# KiCad board W1-AT PCB.kicad_pcb (continued)
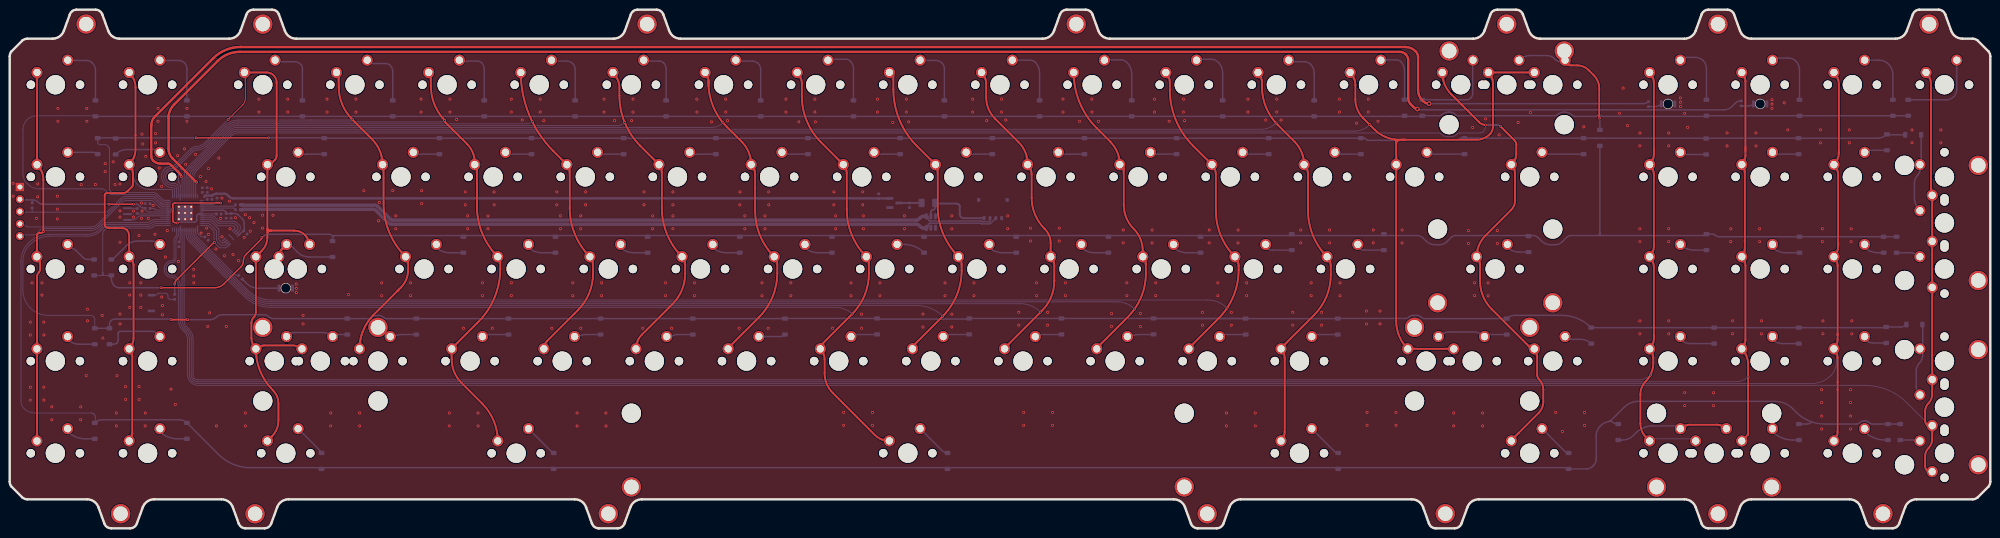
[diagram p0: board, top side]
## Nets (continued)
Net-(D46-A): D46.2 SW47.2
Net-(D47-A): D47.2 SW48.2
Net-(D48-A): D48.2 SW49.2
Net-(D49-A): D49.2 SW50.2
Net-(D50-A): D50.2 SW51.2
Net-(D51-A): D51.2 SW52.2
Net-(D52-A): D52.2 SW53.2
Net-(D53-A): D53.2 SW54.2
Net-(D54-A): D54.2 SW55.2
Net-(D55-A): D55.2 SW56.2
Net-(D56-A): D56.2 SW57.2
Net-(D57-A): D57.2 SW58.2
Net-(D58-A): D58.2 SW59.2
Net-(D59-A): D59.2 SW60.2
Net-(D60-A): D60.2 SW61.2
Net-(D61-A): D61.2 SW62.2
Net-(D62-A): D62.2 SW63.2
Net-(D63-A): D63.2 SW64.2
Net-(D64-A): D64.2 SW65.2
Net-(D65-A): D65.2 SW66.2 SW99.2
Net-(D66-A): D66.2 SW68.2 SW92.2
Net-(D67-A): D67.2 SW67.2
Net-(D68-A): D68.2 SW69.2
Net-(D69-A): D69.2 SW70.2
Net-(D70-A): D70.2 SW71.2
Net-(D71-A): D71.2 SW72.2
Net-(D72-A): D72.2 SW73.2
Net-(D73-A): D73.2 SW74.2
Net-(D74-A): D74.2 SW75.2
Net-(D75-A): D75.2 SW76.2
Net-(D76-A): D76.2 SW77.2
Net-(D77-A): D77.2 SW83.2
Net-(D78-A): D78.2 SW79.2
Net-(D79-A): D79.2 SW80.2
Net-(D80-A): D80.2 SW81.2
Net-(D81-A): D81.2 SW82.2
Net-(D82-A): D82.2 SW88.2
Net-(D83-A): D83.2 SW84.2
Net-(D84-A): D84.2 SW85.2 SW94.2
Net-(D85-A): D85.2 SW86.2
Net-(D86-A): D86.2 SW87.2 SW95.2
Net-(D87-A): D87.2 SW78.2
Net-(D88-A): D88.2 SW91.2
Net-(D89-A): D89.2 SW93.2
Net-(D90-A): D90.2 SW96.2
Net-(D91-A): D91.2 SW97.2 SW98.2
Net-(D92-A): D92.1 R2.1
Net-(D93-A): D93.1 R3.1
Net-(D94-A): D94.1 R8.1
Net-(R7-Pad2): R7.2 SW1.2

Pads without a net: H1 1; H2 1; H3 1; H4 1; H5 1; H6 1; H7 1; H8 1; H9 1; H10 1; H11 1; H12 1; H13 1; H14 1; J3 MP; U3 1 6; U4 13 14; U5 9

## Via types
v1: diameter 0.6, hole 0.3, Top to Bottom, 507 vias
v2: diameter 1, hole 0.5, Top to Bottom, 2 vias

## Routing (per net, layer and track width the routed paths; a pad name or vN(x,y) marks a point on that pad's centre or on a via; arc(x,y) is an arc through that point)
+1V1: length 32.5
  Top w0.3: v1(43.63,67.28) 34.15,67.28 arc(33.99,67.25) 33.85,67.15 33.81,67.12 arc(33.74,67.02) 33.72,66.9 33.72,66.07 arc(33.72,66.07) 33.72,66.07 33.72,66.02 v1(33.74,66) 33.72,65.99 33.72,65.69 arc(33.72,65.66) 33.72,65.63 33.72,63.65 arc(33.75,63.48) 33.85,63.34 arc(33.99,63.25) 34.15,63.22 34.46,63.22 arc(34.57,63.19) v1(34.66,63.13)
  Bottom w0.2: U4.23 30.33,65.82 arc(30.24,65.83) 30.16,65.88 30,66.05 arc(29.9,66.11) 29.78,66.14 29.09,66.14 arc(29.05,66.14) C8.1 ; U4.45 42.09,67.02 arc(42.51,67.1) C3.1 ; U4.50 42.36,65.02 arc(42.49,65.04) 42.61,65.12
  Bottom w0.3: v1(34.66,63.13) 34.66,63.14 34.84,63.32 38.18,63.32 arc(38.38,63.36) 38.55,63.47 arc(38.64,63.61) 38.67,63.78 38.67,64.56 arc(38.71,64.73) 38.8,64.87 arc(38.97,64.98) 39.16,65.02 U4.50 ; 43.5,67.28 v1(43.63,67.28) 43,67.28 arc(42.93,67.29) C3.1 ; v1(33.74,66) arc(33.53,65.87) 33.28,65.82
+3.3V: length 201.3
  Top w0.3: v1(25.59,67.03) v1(20.53,67.03)
  Bottom w0.2: C13.1 28.01,66.04 arc(28.03,65.89) 28.11,65.78 28.26,65.63 arc(28.5,65.47) 28.77,65.42 U4.22 33.37,65.42 arc(33.42,65.41) 33.47,65.37 ; 35.24,67.91 arc(35.26,67.93) 35.26,67.95 U4.33 35.26,70.82 arc(35.19,71.17) 34.99,71.47 arc(34.9,71.61) 34.86,71.78 34.86,73.7 arc(34.87,73.75) C12.1 ; C10.1 arc(35.19,59.49) 35.26,59.83 U4.10 35.26,62.31 arc(35.29,62.46) 35.37,62.58 ; C4.1 arc(40.32,60.28) 40.27,60.29 39.69,60.29 arc(39.57,60.32) 39.47,60.38 39.05,60.8 arc(38.91,61.02) 38.86,61.27 U4.1 38.86,62.44 arc(38.84,62.51) 38.8,62.58
  Bottom w0.3: v1(25.59,67.03) 26.31,67.03 arc(26.48,66.99) 26.62,66.9 26.85,66.67 arc(27.38,66.32) C13.1 ; U5.8 48.17,61.44 arc(48.27,61.5) C17.2 arc(48.44,61.62) 48.47,61.73 48.47,63.22 arc(48.4,63.57) 48.2,63.87 47.2,64.87 arc(46.94,65.03) 46.65,65.09 C14.1 C11.1 44.77,65.2 arc(44.74,65.36) 44.64,65.5 arc(44.36,65.69) 44.03,65.76 44.01,65.76 44,65.77 39.7,65.77 ; 4.69,67.91 4.69,67.39 arc(4.68,67.33) R6.1 ; 4.69,67.91 2.42,67.91 arc(2.25,67.95) J2.2 ; 4.69,67.91 arc(5.36,67.78) 5.92,67.41 arc(6.34,67.13) 6.84,67.03 v1(20.53,67.03)
  Bottom w0.5: U1.2 46.18,68.23 arc(45.76,68.31) 45.4,68.55 45.04,68.92 arc(44.74,69.11) 44.39,69.18 42.72,69.18 arc(42.38,69.12) 42.1,68.93 arc(41.96,68.84) 41.8,68.8 40.45,68.8 40.2,68.55
+5V: length 4.7
  Bottom w0.4: F2.1 U1.3
GND: length 1.8
  Bottom w0.2: 36.76,64.25 36.74,64.24 ; U4.19 31.2,64.22 ; 43.75,65.09 43.68,65.02
  vias: v1(0.71,71.34) v1(0.71,68.68) v1(4.27,42.64) v1(4.27,39.97) v1(4.27,29.18) v1(4.27,26.51) v1(4.64,50.77) v1(5.54,64.1) v1(5.79,71.22) v1(5.79,68.55) v1(6.67,50.77) v1(6.67,48.23) v1(7.06,42.64) v1(7.06,39.97) v1(7.06,29.18) v1(7.06,26.51) v1(8.71,25.12) v1(8.71,22.45) v1(9.86,68.68) v1(9.86,66.01) v1(9.86,63.98) v1(9.97,86.84) v1(9.97,84.17) v1(14.68,25.12) v1(14.68,22.45) v1(14.8,71.09) v1(15.83,31.59) v1(15.94,86.84) v1(15.94,84.17) v1(16.08,45.31) v1(16.08,42.9) v1(17.72,71.09) v1(19.13,44.04) v1(19.26,39.34) v1(19.75,75.41) v1(19.75,73.76) v1(21.4,75.79) v1(21.78,71.09) v1(22.05,23.85) v1(22.05,21.18) v1(22.18,31.59) v1(22.8,71.22) v1(22.81,65.63) v1(22.81,64.36) v1(22.8,59.15) v1(22.81,44.29) v1(22.81,42.26) v1(23.95,29.31) v1(23.95,26.64) v1(24.83,50.77) v1(24.83,48.23) v1(24.83,45.69) v1(25.61,65.63) v1(25.61,64.36) v1(26.74,60.55) v1(26.75,29.31) v1(26.75,26.64) v1(27.12,50.77) v1(27.12,48.23) v1(27.12,45.69) v1(27.26,67.26) v1(27.26,64.09) v1(27.37,81.5) v1(27.38,65.63) v1(27.5,79.47) v1(28.02,23.85) v1(28.02,21.18) v1(28.13,76.93) v1(28.65,64.09) v1(29.66,66.77) v1(30.04,60.8) v1(30.16,81.63) v1(30.16,79.73) v1(30.67,86.84) v1(30.67,84.17) v1(30.93,74.52) v1(31.43,70.71) v1(31.43,47.85) v1(31.56,46.07) v1(31.56,44.17) v1(32.2,56.1) v1(32.58,61.56) v1(33.35,28.8) v1(34.24,25.62) v1(34.74,77.06) v1(34.86,55.21) v1(36.13,78.46) v1(36.39,75.28) v1(36.64,86.84) v1(36.64,84.17) v1(38.05,53.56) v1(38.05,52.17) v1(38.05,50.77) v1(38.42,77.31) v1(39.44,72.74) v1(39.58,61.06) v1(40.59,71.72) v1(40.72,62.07) v1(40.97,41.75) v1(41.09,74.39) v1(41.1,60.8) v1(41.35,44.55) v1(41.73,70.2) v1(42.62,57.75) v1(42.75,21.18) v1(43.25,76.55) v1(43.63,64.1) v1(43.88,68.3) v1(43.89,60.29) v1(44.4,56.36) v1(44.78,41.75) v1(45.42,67.66) v1(45.54,61.95) v1(46.18,56.61) v1(46.67,64.23) v1(47.31,55.34) v1(48.47,60.17) v1(48.72,64.87) v1(48.72,23.85) v1(48.72,21.18) v1(49.61,64.23) v1(49.74,61.44) v1(50.5,63.22) v1(51.51,88.74) v1(51.51,86.08) v1(52.28,64.74) v1(52.28,62.07) v1(54.43,64.74) v1(57.48,88.74) v1(57.48,86.08) v1(59.26,50.52) v1(59.26,49.63) v1(59.26,48.74) v1(60.66,44.04) v1(60.66,42.26) v1(65.61,88.74) v1(65.61,86.08) v1(66.37,23.85) v1(66.37,21.18) v1(70.06,48.36) v1(71.58,88.74) v1(71.58,86.08) v1(72.34,23.85) v1(72.34,21.18) v1(73.23,69.82) v1(76.28,63.6) v1(76.41,67.41) v1(76.91,50.77) v1(76.91,48.1) v1(79.2,69.82) v1(79.83,64.61) v1(79.83,61.95) v1(82.88,50.77) v1(82.88,48.1) v1(85.04,88.74) v1(85.04,86.08) v1(85.17,69.82) v1(85.17,67.15) v1(90.88,23.85) v1(90.88,21.18) v1(91.01,88.74) v1(91.01,86.08) v1(92.39,84.55) v1(93.8,41.37) v1(94.19,69.57) v1(94.19,66.9) v1(94.69,64.61) v1(94.69,61.95) v1(96.85,23.85) v1(96.85,21.18) v1(97.74,50.77) v1(97.74,48.1) v1(98.88,64.61) v1(98.88,61.95) v1(99.77,41.37) v1(100.15,69.57) v1(100.15,66.9) v1(103.71,88.74) v1(103.71,86.08) v1(103.71,50.77) v1(103.71,48.1) v1(105.98,84.42) v1(109.68,88.74) v1(109.68,86.08) v1(110.43,84.3) v1(112.09,41.37) v1(113.11,69.57) v1(113.11,66.9) v1(113.87,64.61) v1(113.87,61.95) v1(116.41,50.77) v1(116.41,48.1) v1(117.3,23.85) v1(117.3,21.18) v1(118.06,64.61) v1(118.06,61.95) v1(118.06,41.37) v1(119.08,69.57) v1(119.08,66.9) v1(122.38,50.77) v1(122.38,48.1) v1(122.89,88.74) v1(122.89,86.08) v1(123.27,23.85) v1(123.27,21.18) v1(125.03,84.3) v1(128.59,84.3) v1(128.86,88.74) v1(128.86,86.08) v1(130.89,41.37) v1(131.14,69.57) v1(131.14,66.9) v1(132.92,64.61) v1(132.92,61.95) v1(135.59,50.77) v1(135.59,48.1) v1(136.86,41.37) v1(137.11,69.57) v1(137.11,66.9) v1(137.11,64.61) v1(137.11,61.95) v1(141.56,50.77) v1(141.56,48.1) v1(142.06,88.74) v1(142.06,86.08) v1(145.1,84.04) v1(148.03,88.74) v1(148.03,86.08) v1(148.4,84.3) v1(150.83,41.37) v1(150.95,69.57) v1(150.95,66.9) v1(151.97,64.61) v1(151.97,61.95) v1(155.53,50.77) v1(155.53,48.1) v1(156.16,64.61) v1(156.16,61.95) v1(156.8,41.37) v1(156.92,69.57) v1(156.92,66.9) v1(160.48,88.74) v1(160.48,86.08) v1(161.5,50.77) v1(161.5,48.1) v1(163.13,84.04) v1(166.45,88.74) v1(166.45,86.08) v1(166.56,84.04) v1(170.13,41.37) v1(170.39,69.57) v1(170.39,66.9) v1(170.77,64.61) v1(170.77,61.95) v1(172.42,23.97) v1(172.42,21.31) v1(173.94,50.77) v1(173.94,48.1) v1(176.1,44.29) v1(176.1,41.37) v1(176.35,69.57) v1(176.35,66.9) v1(176.48,64.61) v1(176.48,61.95) v1(178.39,23.97) v1(178.39,21.31) v1(179.4,88.74) v1(179.4,86.08) v1(179.91,50.77) v1(179.91,48.1) v1(182.56,83.92) v1(184.99,64.61) v1(184.99,61.95) v1(185.37,88.74) v1(185.37,86.08) v1(185.87,84.04) v1(188.8,44.29) v1(188.8,41.63) v1(193.37,50.77) v1(193.37,48.1) v1(194.77,64.61) v1(194.77,61.95) v1(194.77,44.29) v1(194.77,41.63) v1(199.09,88.74) v1(199.09,86.08) v1(199.34,50.77) v1(199.34,48.1) v1(202,84.3) v1(205.06,88.74) v1(205.06,86.08) v1(205.93,84.42) v1(206.33,64.61) v1(206.33,61.95) v1(208.61,44.67) v1(208.61,42.01) v1(209.63,23.97) v1(209.63,21.31) v1(211.03,62.07) v1(211.03,59.41) v1(212.3,50.77) v1(212.3,48.1) v1(214.58,44.67) v1(214.58,42.01) v1(215.6,23.97) v1(215.6,21.31) v1(216.99,62.07) v1(216.99,59.41) v1(217.76,88.74) v1(217.76,86.08) v1(218.26,50.77) v1(218.26,48.1) v1(221.17,84.17) v1(223.73,88.74) v1(223.73,86.08) v1(225.11,84.17) v1(227.79,44.42) v1(227.79,41.75) v1(230.2,61.69) v1(230.2,59.02) v1(230.96,50.77) v1(230.96,48.1) v1(233.76,44.42) v1(233.76,41.75) v1(236.17,61.69) v1(236.17,59.02) v1(236.68,88.74) v1(236.68,86.08) v1(236.93,50.77) v1(236.93,48.1) v1(239.71,84.17) v1(242.65,88.74) v1(242.65,86.08) v1(242.89,84.3) v1(246.59,44.67) v1(246.59,42.01) v1(247.98,61.69) v1(247.98,59.02) v1(249.76,50.77) v1(249.76,48.1) v1(251.54,23.85) v1(251.54,21.18) v1(252.55,44.67) v1(252.55,42.01) v1(253.95,61.69) v1(253.95,59.02) v1(255.73,50.77) v1(255.73,48.1) v1(255.98,88.74) v1(255.98,86.08) v1(257.51,23.85) v1(257.51,21.18) v1(259.65,84.42) v1(261.95,88.74) v1(261.95,86.08) v1(262.83,84.42) v1(265.25,44.67) v1(265.25,42.01) v1(266.91,61.69) v1(266.91,59.02) v1(269.06,50.77) v1(269.06,48.1) v1(271.22,44.67) v1(271.22,42.01) v1(272.87,61.69) v1(272.87,59.02) v1(274.91,88.74) v1(274.91,86.08) v1(275.03,50.77) v1(275.03,48.1) v1(278.45,83.79) v1(280.49,44.93) v1(280.49,42.26) v1(280.62,23.97) v1(280.62,21.31) v1(280.88,88.74) v1(280.88,86.08) v1(281.89,61.69) v1(281.89,59.02) v1(282.89,84.17) v1(283.29,44.93) v1(283.29,42.26) v1(286.59,23.97) v1(286.59,21.31) v1(287.86,61.69) v1(287.86,59.02) v1(298.53,23.85) v1(298.53,21.18) v1(301.58,61.56) v1(301.58,58.9) v1(302.45,82.9) v1(302.85,50.77) v1(302.85,48.1) v1(304.5,23.85) v1(304.5,21.18) v1(305.12,84.68) v1(305.64,50.77) v1(305.64,48.1) v1(307.55,61.56) v1(307.55,58.9) v1(307.91,81.38) v1(311.85,83.92) v1(314.4,85.95) v1(319.61,23.97) v1(321.01,20.04) v1(325.44,83.03) v1(325.58,23.97) v1(325.58,21.31) v1(332.82,85.82) v1(333.57,91.03) v1(334.46,83.28) v1(337.01,81.76) v1(337.01,79.09) v1(337.01,61.95) v1(337.01,59.28) v1(337.01,42.9) v1(337.01,40.23) v1(342.98,81.76) v1(342.98,79.09) v1(342.98,61.95) v1(342.98,59.28) v1(342.98,42.9) v1(342.98,40.23) v1(345.39,89) v1(345.39,88.11) v1(345.39,87.22) v1(346.28,85.82) v1(346.28,28.04) v1(346.28,25.37) v1(346.9,82.9) v1(352.25,28.04) v1(352.25,25.37) v1(355.04,81.76) v1(355.04,79.09) v1(355.81,61.95) v1(355.81,59.28) v1(356.19,42.9) v1(356.19,40.23) v1(361.01,81.76) v1(361.01,79.09) v1(361.77,61.95) v1(361.77,59.28) v1(362.16,42.9) v1(362.16,40.23) v1(364.31,88.62) v1(364.31,87.73) v1(364.31,86.84) v1(366.84,87.98) v1(367.6,82.39) v1(374.35,82.39) v1(374.35,79.73) v1(374.6,28.67) v1(374.6,26) v1(374.6,23.21) v1(374.6,20.54) v1(374.73,61.95) v1(374.73,59.28) v1(374.86,42.9) v1(374.86,40.23) v1(380.32,82.39) v1(380.32,79.73) v1(380.57,28.67) v1(380.57,26) v1(380.57,23.21) v1(380.57,20.54) v1(380.7,61.95) v1(380.7,59.28) v1(380.82,42.9) v1(380.82,40.23) v1(393.27,82.39) v1(393.27,79.73) v1(399.24,82.39) v1(399.24,79.73)
VCC: length 15.9
  Bottom w0.3: U3.5 190.44,65.45 arc(190.47,65.62) 190.57,65.76 arc(190.71,65.85) 190.87,65.88 190.95,65.88 arc(191.06,65.91) 191.16,65.97 191.2,66.01 arc(191.3,66.15) 191.33,66.32 F2.2
  Bottom w0.4: J3.1 197.2,64.13 arc(196.91,64.19) 196.66,64.36 arc(196.47,64.64) 196.41,64.97 196.41,66.59 arc(196.37,66.76) 196.28,66.9 196.21,66.97 arc(196.01,67.11) 195.77,67.15 191.64,67.15 arc(191.47,67.19) F2.2
/USB_DN: length 7.1
  Bottom w0.2: U4.46 46.4,66.62 R5.2
/USB_DP: length 7.1
  Bottom w0.2: R4.2 46.35,66.22 U4.47
/X_OUT: length 2
  Bottom w0.2: Y2.3 26.28,66.18 arc(26.33,66.17) R1.1
CAPSLED: length 13.4
  Bottom w0.2: U4.2 38.46,60.93 arc(38.54,60.55) 38.75,60.23 46.27,52.71 arc(46.75,52.39) R2.2
COL0: length 104.4
  Top w0.4: 5.65,18.07 5.65,37.12 5.67,51.02 5.67,52.03 arc(5.76,52.51) 6.03,52.91 arc(6.23,53.21) 6.3,53.56 6.3,54.58 arc(6.13,55.43) 5.65,56.15 SW4.1 5.63,60.55 arc(5.68,60.75) 5.79,60.93 arc(5.93,61.02) 6.1,61.06 6.3,61.06 arc(6.64,61.12) 6.92,61.31 v1(6.96,61.35) 6.96,72.05 arc(6.62,73.77) SW3.1 SW2.1
  Bottom w0.2: 18.94,62.64 18.75,62.46 arc(17.76,61.8) 16.59,61.56 7.47,61.56 arc(7.2,61.51) v1(6.96,61.35) ; 18.94,62.64 19,62.71 ; 18.94,62.64 arc(19.57,63.07) 20.32,63.22 28.4,63.22 arc(28.75,63.29) 29.05,63.48 arc(29.42,63.73) 29.85,63.82 U4.18
COL1: length 100.5
  Top w0.4: SW11.1 arc(25.18,18.78) 25.35,19.63 25.35,35.55 arc(25.18,36.4) SW10.1 arc(25.37,38.12) 25.61,39.29 25.61,54.45 arc(25.46,55.2) 25.03,55.84 SW9.1 24.7,60.5 arc(24.57,61.14) 24.21,61.69 arc(23.83,61.95) 23.39,62.07 21.8,62.07 21.8,62.07 20.5,62.07 arc(20.17,62.14) 19.89,62.33 arc(19.7,62.61) 19.64,62.94 19.64,68.88 arc(19.67,69.04) 19.76,69.18 arc(19.9,69.28) 20.07,69.31 23.42,69.31 arc(23.91,69.41) 24.34,69.69 25.32,70.68 arc(25.44,70.85) 25.48,71.06 25.48,73.35 arc(25.28,74.36) SW8.1 arc(25.67,76.67) 26.01,78.38 26.01,91.1 arc(25.67,92.82) SW7.1
  Bottom w0.2: U4.29 33.66,69.82 arc(33.65,69.89) 33.61,69.95 33.57,69.98 arc(33.47,70.05) 33.35,70.07 29,70.07 arc(27.56,70.36) 26.33,71.18 arc(25.79,71.99) 25.61,72.93 25.61,73.5 arc(25.46,74.25) 25.03,74.89 SW8.1 arc(24.74,75.05) 24.83,74.91
COL2: length 144.5
  Top w0.2: v1(45.16,84.55) 48.18,87.57 arc(48.58,88.17) 48.72,88.87 48.72,93.78 arc(48.67,94.04) SW12.1
  Top w0.25: 48.36,94.33 arc(48.45,94.31) SW12.1
  Top w0.3: 58.74,37.82 arc(59.65,37.63) SW15.1
  Top w0.4: 53.28,61.56 54.04,61.56 ; 53.28,61.56 53.28,61.95 ; 53.28,61.56 53.28,60.21 arc(52.97,58.68) 52.1,57.37 SW89.1 50.9,44.72 arc(50.78,44.12) 50.44,43.61 arc(50.1,43.1) 49.98,42.5 49.98,39.34 arc(50.22,38.14) SW90.1 ; 54.04,61.56 58.88,61.56 arc(60.04,61.33) 61.03,60.68 arc(61.72,59.63) 61.97,58.4 61.97,58.13 ; 54.04,61.56 arc(53.69,61.49) 53.39,61.3 53.28,61.18 ; 54.04,61.56 arc(53.69,61.64) 53.39,61.83 53.28,61.95 ; 58.74,37.82 52.58,37.82 arc(51.67,37.63) SW90.1 ; 53.28,61.95 SW13.1 arc(53.82,75.32) 54.28,75.63 54.82,76.17 arc(55.09,76.58) 55.18,77.06 55.18,92.22 arc(54.58,93.67) 53.14,94.27 SW12.1 ; SW16.1 54.17,18.96 arc(55.2,20.5) 55.56,22.32 55.56,25.79 arc(55.27,27.28) 54.42,28.54 arc(51.81,32.45) 50.9,37.05 SW90.1
  Bottom w0.2: v1(45.16,84.55) 40.29,79.68 arc(39.5,79.15) 38.56,78.96 arc(37.97,78.85) 37.48,78.51 34.19,75.23 arc(33.68,74.89) 33.09,74.77 arc(32.58,74.67) 32.16,74.39 31.89,74.12 arc(31.49,73.53) 31.35,72.82 ; U4.30 34.06,70.12 arc(34.04,70.23) 33.97,70.33 arc(33.83,70.42) 33.67,70.45 33.6,70.45 arc(32.77,70.62) 32.07,71.09 arc(31.54,71.88) 31.35,72.82
COL3: length 115.1
  Top w0.4: 81.86,56.16 SW19.1 ; SW19.1 arc(82.24,55.59) 82.37,54.91 82.37,53.44 arc(81.98,51.45) 80.86,49.77 80.21,49.13 ; SW19.1 arc(78.48,61.22) 77.29,67.17 77.29,74.73 arc(77.24,74.99) SW18.1 arc(76.53,78.05) 74.93,80.44 70.82,84.55 arc(70.81,84.57) v1(70.8,84.59) arc(68.75,87.67) 68.02,91.3 68.02,93.16 arc(67.9,93.76) SW17.1 ; 80.49,49.41 80.33,49.25 80.21,49.13 ; 80.21,49.13 75.25,44.16 75.02,43.93 74.59,43.44 74.19,42.92 73.83,42.38 73.5,41.82 73.21,41.23 72.96,40.63 72.75,40.01 72.59,39.38 72.46,38.74 72.37,38.09 72.33,37.44 SW20.1
  Bottom w0.2: U4.31 34.46,70.38 arc(34.42,70.59) 34.3,70.77 ; 33.91,70.94 33.42,70.94 arc(32.9,71.05) 32.45,71.34 32.35,71.44 arc(31.96,72.04) 31.82,72.74 arc(31.93,73.33) 32.26,73.83 32.46,74.02 arc(32.87,74.3) 33.35,74.39 arc(33.82,74.49) 34.22,74.75 37.69,78.22 arc(38.09,78.49) 38.56,78.58 38.57,78.58 arc(39.6,78.79) 40.48,79.37 44.3,83.2 arc(45.66,84.11) 47.27,84.42 62.12,84.42 62.14,84.44 arc(62.15,84.43) 62.17,84.42 70.41,84.42 arc(70.62,84.47) v1(70.8,84.59) ; 34.27,70.8 arc(34.1,70.91) 33.91,70.94
COL4: length 155.5
  Top w0.4: SW21.1 arc(100.07,22.23) 97.72,25.76 93.41,30.07 arc(91.91,32.32) 91.38,34.97 SW25.1 arc(91.39,37.18) 91.42,37.23 96.85,42.66 arc(100.24,47.72) 101.42,53.69 101.42,54.91 arc(101.29,55.59) SW24.1 arc(97.72,60.94) 96.6,66.56 96.6,74.11 arc(96.48,74.71) SW23.1 96.14,75.67 arc(95.73,77.73) 94.57,79.47 90.11,83.93 arc(89.98,84.13) v1(89.93,84.36) 89.93,84.41 89.48,84.87 arc(87.69,87.98) 87.07,91.52 87.07,93.16 arc(86.95,93.76) SW22.1
  Bottom w0.2: 34,71.34 33.54,71.34 arc(33.07,71.44) 32.67,71.7 32.65,71.72 arc(32.37,72.15) 32.27,72.64 32.27,72.81 arc(32.35,73.22) 32.58,73.56 32.71,73.69 arc(33.06,73.93) 33.48,74.01 arc(33.94,74.1) 34.32,74.36 37.81,77.84 arc(38.2,78.11) 38.67,78.2 arc(39.74,78.41) 40.65,79.02 44.64,83.01 arc(45.78,83.78) 47.13,84.04 89.16,84.04 arc(89.58,84.13) v1(89.93,84.36) ; U4.32 34.86,70.48 ; 34.86,70.48 arc(34.8,70.81) 34.61,71.09 arc(34.33,71.28) 34,71.34
COL5: length 146.4
  Top w0.4: SW27.1 115.17,75.2 ; SW27.1 112.4,78.01 arc(107.42,85.47) SW26.1 ; SW27.1 arc(115.62,74.57) 115.78,73.81 115.78,66.25 arc(116.86,60.8) SW28.1 arc(120.43,55.45) 120.6,54.6 120.6,52.67 arc(119.79,48.58) 117.47,45.11 111.1,38.74 arc(110.6,38) SW29.1
  Bottom w0.2: U4.35 36.06,72.67 arc(36.29,73.83) 36.95,74.81 44.89,82.76 arc(45.9,83.43) 47.08,83.66 107.05,83.66 arc(107.59,83.77) v1(108.05,84.08)
COL6: length 165.1
  Top w0.4: SW30.1 arc(125.7,92.79) 126.05,91.05 126.05,89.5 arc(127.17,83.87) 130.36,79.1 SW31.1 arc(134.67,74.57) 134.83,73.81 134.83,66.25 arc(135.91,60.8) SW32.1 arc(139.48,55.45) 139.65,54.6 139.65,52.67 arc(138.98,49.28) 137.06,46.41 130.69,40.04 arc(129.79,38.7) SW33.1
  Bottom w0.2: U4.36 36.46,72.57 arc(36.69,73.72) 37.34,74.7 45.2,82.56 arc(46,83.09) 46.95,83.28 125.62,83.28 arc(126.45,83.45) v1(127.15,83.92)
COL7: length 185.8
  Top w0.4: 144.46,92.43 144.46,92.1 arc(145.44,87.22) 148.2,83.08 151.33,79.95 arc(152.78,77.78) SW35.1 arc(153.9,74.3) 154.12,73.22 154.12,65.67 arc(155.14,60.53) SW36.1 arc(158.52,55.46) 158.69,54.63 158.69,52.8 arc(157.7,47.84) 154.89,43.63 148.63,37.37 arc(148.56,37.26) SW37.1 ; 144.46,92.43 144.46,92.58 arc(144.28,93.49) SW34.1 ; 144.46,92.43 144.46,91.41
  Bottom w0.2: U4.37 36.86,72.56 arc(37.07,73.62) 37.67,74.52 45.42,82.27 arc(46.12,82.74) 46.94,82.9 145.14,82.9 arc(146.41,83.15) v1(147.48,83.87)
COL8: length 236.2
  Top w0.4: SW39.1 arc(163.52,93.21) 163.77,91.97 163.77,89.38 arc(164.8,84.22) 167.72,79.84 SW40.1 arc(172.87,74.43) 173.05,73.5 173.05,65.95 arc(174.11,60.65) SW41.1 arc(177.49,55.59) 177.62,54.91 177.62,52.66 arc(176.73,48.14) v1(174.16,44.31) 168.01,38.15 arc(167.69,37.68) SW42.1 arc(168.24,36.13) 168.47,34.97 168.47,32.1 arc(168.91,29.87) 170.17,27.98 178.83,19.32 arc(180.22,18.39) 181.87,18.07
  Bottom w0.2: U4.7 36.46,60.87 arc(36.62,60.05) 37.09,59.35 48.51,47.94 arc(50.99,46.27) 53.93,45.69 170.83,45.69 arc(172.64,45.33) v1(174.16,44.31)
COL9: length 229.1
  Top w0.4: 182.69,94.56 182.69,90.77 arc(183.95,84.44) 187.54,79.07 SW44.1 arc(191.73,74.71) 191.85,74.11 191.85,66.56 arc(192.97,60.94) SW45.1 arc(196.63,55.45) 196.8,54.6 196.8,53.3 arc(195.79,48.2) v1(192.89,43.87) 186.97,37.95 arc(186.72,37.57) SW46.1
  Bottom w0.2: U4.6 36.86,60.85 arc(37,60.15) 37.4,59.55 48.63,48.32 arc(51.12,46.65) 54.05,46.07 187.58,46.07 arc(190.46,45.5) v1(192.89,43.87)
COL10: length 249
  Top w0.4: SW50.1 arc(205.71,37.26) 205.78,37.37 v1(213.13,44.72) 213.42,45.01 arc(215.3,47.83) 215.97,51.15 215.97,54.33 arc(215.77,55.32) SW49.1 215.2,58.99 arc(214.89,60.56) 214.01,61.89 213.95,61.95 arc(211.96,64.91) 211.27,68.42 211.27,73.22 arc(211.05,74.3) SW48.1 210.44,75.39 arc(209.96,77.79) 208.61,79.82 203.7,84.73 arc(202.35,86.74) 201.88,89.12 201.88,91.94 arc(201.63,93.2) SW47.1
  Bottom w0.2: U4.5 37.26,60.96 arc(37.4,60.25) 37.8,59.66 48.85,48.61 arc(51.24,47.01) 54.05,46.45 208.94,46.45 arc(211.21,46) v1(213.13,44.72)
COL11: length 267.3
  Top w0.4: SW54.1 arc(224.76,37.26) 224.83,37.37 231.18,43.72 arc(233.92,47.83) 234.89,52.67 234.89,54.63 arc(234.72,55.46) SW53.1 234.25,57.38 arc(233.76,59.85) 232.36,61.95 arc(230.85,64.21) 230.32,66.88 230.32,74.39 SW52.1 arc(228.98,77.78) 227.53,79.95 224.74,82.74 arc(221.21,88.03) SW51.1
  Bottom w0.2: U4.4 37.66,60.94 arc(37.78,60.35) 38.11,59.85 49.06,48.9 arc(51.35,47.37) 54.05,46.83 228.99,46.83 arc(230.92,46.45) v1(232.56,45.35)
COL12: length 285.9
  Top w0.4: SW55.1 arc(239.63,93.35) 239.84,92.27 239.84,90.65 arc(241.08,84.43) 244.6,79.16 SW56.1 arc(249.15,74.3) 249.37,73.22 249.37,65.67 arc(250.39,60.53) SW57.1 arc(253.87,55.32) 254.07,54.33 254.07,53.44 arc(252.98,48) 249.91,43.39 243.88,37.37 arc(243.81,37.26) SW58.1
  Bottom w0.2: U4.3 38.06,60.88 arc(38.15,60.44) 38.4,60.06 49.24,49.22 arc(51.46,47.74) 54.08,47.21 247.64,47.21 arc(249.82,46.78) v1(251.67,45.54)
COL13: length 318.5
  Top w0.4: SW59.1 arc(258.68,93.35) 258.89,92.27 258.89,91.28 arc(259.74,87.04) 262.14,83.44 265.63,79.95 arc(267.08,77.78) SW60.1 267.61,75.2 arc(268.21,74.3) 268.42,73.25 268.42,65.67 arc(269.44,60.53) SW61.1 arc(272.92,55.32) 273.12,54.33 273.12,52.42 arc(272.22,47.92) 269.67,44.11 262.93,37.37 arc(262.86,37.26) SW62.1 arc(263.39,36.27) 263.59,35.28 263.59,19.91 arc(263.39,18.91) SW63.1
  Bottom w0.2: U4.38 37.26,72.72 arc(37.42,73.53) 37.89,74.23 45.64,81.98 arc(46.24,82.38) 46.94,82.52 258.75,82.52 arc(260.41,82.85) v1(261.81,83.79) 261.64,83.62
COL14: length 368.9
  Top w0.4: SW65.1 286.64,42.87 arc(287.26,39.76) SW92.1 SW68.1 ; SW65.1 286.64,79.68 arc(286.56,80.08) 286.34,80.42 ; SW65.1 arc(286.67,75.36) 286.75,75.47 ; 288.5,80.36 303.25,80.36 arc(304.74,80.66) 306.01,81.5 arc(306.48,82.21) 306.64,83.04 306.64,92.04 arc(306.41,93.22) 305.75,94.21 SW66.1 315.22,94.27 ; 288.5,80.36 287.85,80.36 arc(287.19,80.23) 286.63,79.85 ; 288.5,80.36 287.21,80.36 arc(284.49,80.9) 282.18,82.44 v1(281.17,83.45) 279.83,84.8 arc(278.62,86.61) 278.2,88.74 278.2,91.66 arc(277.91,93.07) SW64.1
  Bottom w0.2: U4.39 37.66,72.09 37.66,72.18 37.66,72.56 ; 37.66,72.56 37.66,72.67 arc(37.81,73.43) 38.24,74.08 45.86,81.69 arc(46.35,82.02) 46.94,82.14 278,82.14 arc(279.72,82.48) v1(281.17,83.45) ; 37.66,72.56 arc(37.66,72.56) 37.66,72.56
COL15: length 372
  Top w0.4: v1(308.17,83.15) 311.11,80.21 arc(311.38,79.81) 311.47,79.34 311.47,77.39 arc(311.26,76.32) 310.65,75.42 310.45,75.22 arc(311.02,74.37) 311.22,73.38 311.22,67.79 311.22,67.79 arc(311.01,66.73) 310.41,65.84 305.07,60.5 arc(303.74,58.51) SW71.1 arc(303.79,55.39) 303.98,54.48 303.98,51.13 arc(304.6,47.98) 306.39,45.31 314.18,37.52 arc(314.62,37.22) 315.15,37.12 arc(315.62,36.41) 315.79,35.58 315.79,31.75 arc(315.89,31.25) 316.17,30.83 arc(316.83,29.85) 317.06,28.68 317.06,26.16 arc(316.81,24.92) 316.11,23.88 310.56,18.32 arc(310.48,18.21) 310.45,18.07 ; v1(305.12,83.41) arc(304.42,83.55) 303.82,83.95 298.05,89.71 arc(296.66,91.8) SW69.1
  Bottom w0.2: U4.40 38.06,71.98 38.06,71.98 38.06,72.58 arc(38.21,73.33) 38.63,73.96 45.98,81.31 arc(46.48,81.64) 47.07,81.76 295.37,81.76 arc(295.71,81.69) 295.99,81.5 arc(296.55,81.13) 297.21,81 298.12,81 arc(298.61,81.1) 299.04,81.38 299.15,81.49 arc(299.45,81.69) 299.8,81.76 304.01,81.76 arc(304.34,81.82) 304.62,82.01 arc(304.99,82.56) 305.12,83.21 v1(305.12,83.41)
  Bottom w0.4: v1(305.12,83.41) 307.55,83.41 arc(307.89,83.34) v1(308.17,83.15)
COL16: length 422.7
  Top w0.4: 339.92,39.97 339.92,39.26 arc(339.69,38.1) SW96.1 arc(339.59,36.27) 339.79,35.28 339.79,34.13 arc(339.39,32.14) 338.27,30.45 arc(337.42,29.18) 337.12,27.69 337.12,21.69 arc(337.44,20.1) 338.34,18.76 SW98.1 ; 339.92,39.97 339.92,54.02 arc(339.69,55.18) SW93.1 arc(339.69,57.15) 339.92,58.31 339.92,73.07 arc(339.69,74.23) SW91.1 arc(339.69,76.2) 339.92,77.36 339.92,78.33 ; 339.92,39.97 339.92,39.59 ; 339.92,78.33 339.92,92.12 arc(339.69,93.28) SW67.1 ; 339.92,78.33 339.92,77.69
  Bottom w0.2: U4.8 36.06,42.88 arc(36.18,42.27) 36.53,41.75 37.03,41.25 arc(37.69,40.26) 37.92,39.09 37.92,31.57 arc(37.99,31.24) 38.18,30.96 arc(38.46,30.77) 38.79,30.7 336.78,30.7 arc(338.09,30.96) v1(339.19,31.7) ; SW98.1 arc(339.52,18.4) 340.1,18.51 347.48,18.51 arc(348.06,18.4) SW97.1
COL17: length 432.9
  Top w0.4: 358.84,78.84 358.84,77.06 arc(358.64,76.06) SW75.1 arc(358.55,74.51) 358.71,73.68 358.71,59.53 ; 358.84,78.84 358.84,92.43 arc(358.64,93.42) SW74.1 ; 358.84,78.84 358.84,78 ; 359.39,29.22 v1(359.39,31.34) 359.39,33.95 arc(359.05,35.67) SW77.1 arc(358.64,37.96) 358.84,38.96 358.84,54.33 arc(358.64,55.32) SW76.1 arc(358.55,56.87) 358.71,57.7 358.71,59.53 ; 359.39,29.14 359.39,19.53 arc(359.36,19.39) 359.28,19.27 SW83.1 ; 358.71,59.53 358.71,59.26
  Bottom w0.2: v1(359.39,31.34) arc(358.26,30.59) 356.94,30.32 38.84,30.32 arc(38.35,30.42) 37.92,30.7 arc(37.64,31.13) 37.54,31.62 37.54,39.09 arc(37.33,40.14) 36.73,41.04 36.27,41.5 arc(35.8,42.2) 35.64,43.03 35.64,61.72 arc(35.64,61.75) U4.9
COL18: length 459.4
  Top w0.4: 378.14,77.82 378.14,77.67 arc(377.88,76.34) SW80.1 arc(377.79,74.23) 378.02,73.07 378.02,59.02 ; 378.14,77.82 378.14,77.39 ; 378.14,77.82 378.14,91.81 arc(377.88,93.14) SW79.1 ; 377.89,39.9 377.89,40.23 ; 377.89,40.23 377.89,38.96 arc(377.69,37.96) SW82.1 arc(377.69,36.27) 377.89,35.28 377.89,19.91 arc(377.69,18.91) SW88.1 ; 377.89,40.23 377.89,54.33 arc(377.69,55.32) SW81.1 arc(377.79,57.15) 378.02,58.31 378.02,59.02 ; 378.02,59.02 378.02,58.64
  Bottom w0.2: U4.11 34.86,60.62 arc(34.8,60.3) 34.62,60.04 arc(34.43,59.76) 34.37,59.43 34.37,55.83 arc(34.3,55.5) 34.12,55.22 34.04,55.14 arc(33.84,55.01) 33.61,54.96 arc(33.14,54.87) 32.74,54.6 32.7,54.56 arc(32.43,54.16) 32.34,53.69 arc(32.45,53.1) 32.79,52.61 32.83,52.56 arc(33.13,52.36) 33.48,52.29 arc(34.07,52.18) 34.56,51.84 34.62,51.79 arc(35.09,51.08) 35.26,50.25 35.26,43.08 arc(35.46,42.09) 36.02,41.24 36.44,40.82 arc(36.98,40.02) 37.16,39.09 37.16,31.68 arc(37.29,31.01) 37.67,30.45 arc(38.23,30.07) 38.9,29.94 372.52,29.94 arc(374.68,30.37) 376.51,31.59 arc(377.35,32.86) 377.65,34.35 377.65,35.86 arc(377.51,36.54) SW82.1
COL19: length 484.1
  Top w0.4: 397.45,35.78 SW95.1 397.45,27.72 arc(397.25,26.72) 396.69,25.88 arc(396.17,25.1) 395.99,24.19 395.99,22.23 arc(396.07,21.8) 396.32,21.43 arc(396.53,21.29) 396.78,21.24 SW87.1 397.45,18.45 arc(397.25,17.45) 396.69,16.61 arc(396.17,15.83) 395.99,14.92 395.99,12.83 arc(396.07,12.4) 396.32,12.03 arc(396.67,11.8) 397.08,11.72 SW78.1 ; 397.45,35.78 SW86.1 SW85.1 SW94.1 arc(397.26,69.15) 397.19,69.48 397.19,91.81 arc(396.93,93.14) SW84.1 ; 397.45,35.78 397.45,35.6
  Bottom w0.2: U4.12 34.46,60.68 arc(34.41,60.41) 34.25,60.18 arc(34.06,59.89) 33.99,59.54 33.99,55.78 arc(33.95,55.61) 33.86,55.47 arc(33.72,55.38) 33.55,55.34 arc(33.02,55.23) 32.56,54.93 32.38,54.75 arc(32.06,54.28) 31.96,53.73 31.96,53.52 arc(32.09,52.86) 32.46,52.29 arc(32.89,52.01) 33.38,51.91 arc(33.82,51.83) 34.2,51.58 34.34,51.44 arc(34.74,50.84) 34.88,50.13 34.88,43.14 arc(35.11,41.98) 35.77,40.99 36.14,40.62 arc(36.61,39.91) 36.78,39.07 36.78,31.73 arc(36.95,30.9) 37.42,30.2 arc(38.12,29.73) 38.95,29.56 383.56,29.56 arc(388.23,28.63) 392.19,25.99 396.57,21.61 arc(396.97,21.34) SW87.1
